# Altium PCB 控制盒基板.PcbDoc (part 4 of 8)
Units mil, origin at the board's own origin, x right, y up, seen from the top; angles counter-clockwise.
Board outline 12046.02 x 6189.14 mil, 4 copper layers (Top Layer, SGND, POWER, Bottom Layer); 368 components, 219 nets, 1110 pads, 351 vias.
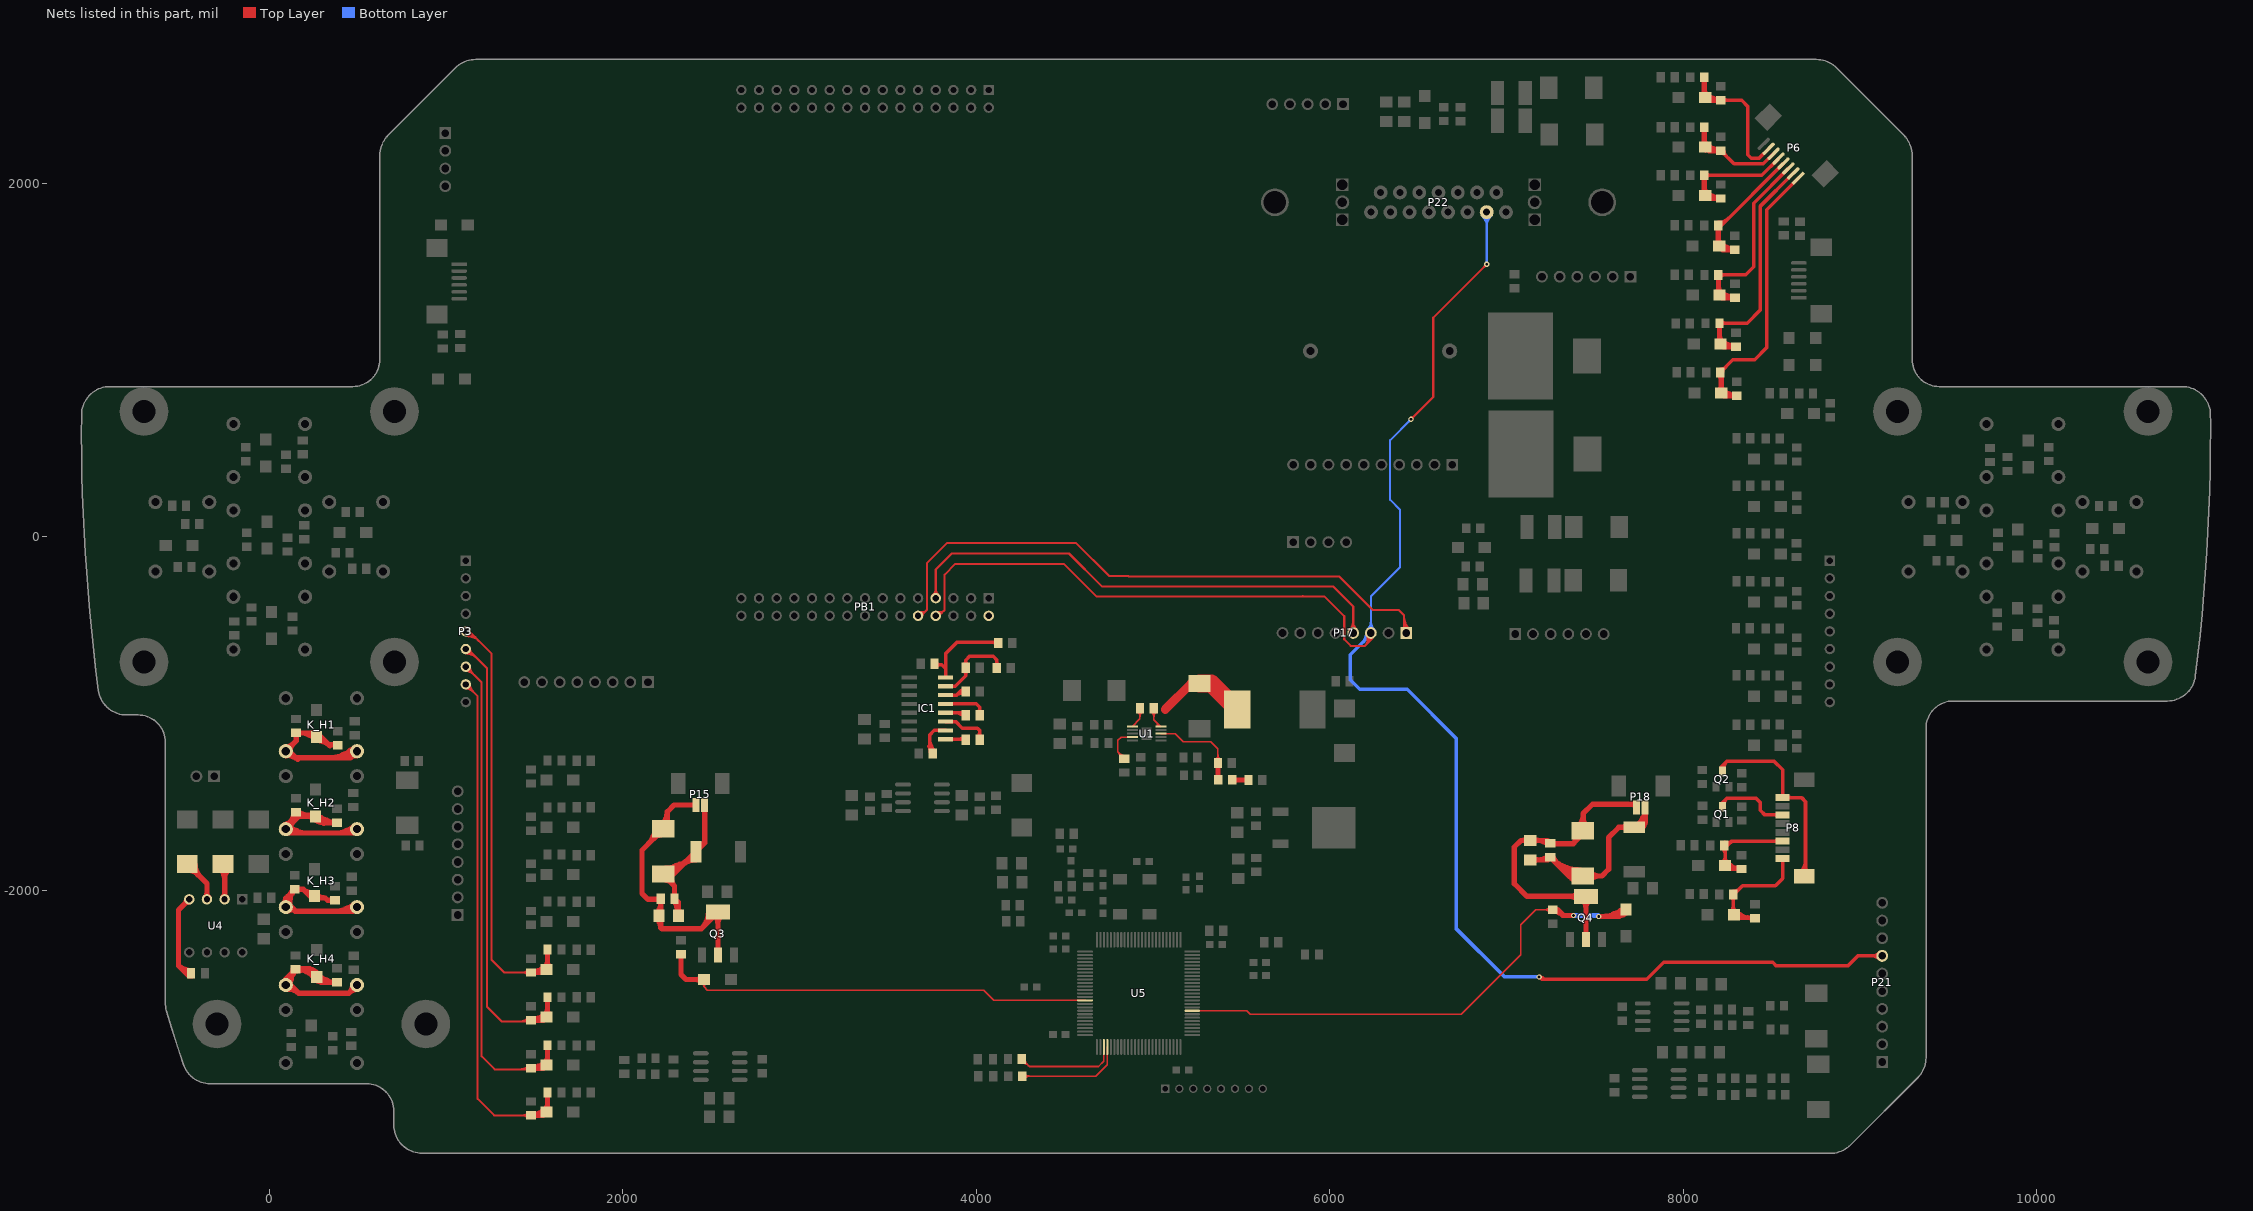
[diagram p6: the nets of this part, all layers, seen from the top]

## Via types
v1: diameter 30, hole 16, Top Layer to Bottom Layer, tented both sides, 209 vias
v2: diameter 24, hole 16, Top Layer to Bottom Layer, tented both sides, 75 vias
v3: diameter 30, hole 18, Top Layer to Bottom Layer, tented both sides, 57 vias
v4: diameter 28, hole 18, Top Layer to Bottom Layer, tented both sides, 10 vias

## Nets (pads, with @x,y where several pads share a name; then routed paths per layer and width w, separated by ;. In a path a pad name is that pad's centre, name@x,y a point inside that pad or via, vN(x,y) a via of type N, cw(c..) or ccw(c..) an arc to the next point about the centre after c; other vN are vias at no path point) (continued)
KJ_B5: D18.2 P3.5 R26.1 R30.2 | length 3350.4
  Top Layer w12: P3.5@1101.1,-540.24 ccw(c1138.45,-522.79) 1127.78,-562.6 ; P3.5@1111.97,-535.16 ccw(c1168.93,-508.54) 1152.66,-569.27 ; P3.5@1112.4,-534.96 1131.96,-534.96 1258,-661 1258,-2394 1329.37,-2465.37 R26.1@1481,-2465.37 ; P3.5@1123.49,-531.8 ccw(c1157.18,-522.22) 1148.11,-556.05 ; P3.5@1124.16,-555.33 cw(c1133.55,-571.6) 1138.42,-553.46 ; 1434.52,-2465.37 ccw(c1434.52,-2422.83) 1464.6,-2452.91 cw(c1434.52,-2422.83) 1434.52,-2465.37 ; 1434.52,-2465.37 cw(c1434.52,-2507.91) 1464.6,-2477.83 ccw(c1434.52,-2507.91) 1434.52,-2465.37 ; P3.5@1112.4,-558.48 cw(c1112.4,-662.5) 1185.95,-588.95 ccw(c1112.4,-662.5) P3.5@1112.4,-558.48 ; P3.5@1112.4,-546.48 cw(c1112.4,-621.53) 1165.46,-568.46 ccw(c1112.4,-621.53) P3.5@1112.4,-546.48 ; P3.5@1112.4,-534.48 cw(c1112.4,-580.56) 1144.98,-547.98 ccw(c1112.4,-580.56) P3.5@1112.4,-534.48
  Top Layer w30: R26.1@1481,-2465.37 1550.37,-2465.37 D18.2@1568.74,-2447 1574.63,-2441.11 R30.2@1574.63,-2335 ; 1516.12,-2457.28 cw(c1533.85,-2487.99) D18.2@1555.65,-2460.01 ; R26.1@1481.61,-2465.37 ccw(c1481.61,-2362.83) 1554.12,-2435.34 cw(c1481.61,-2362.83) R26.1@1481.61,-2465.37 ; D18.2@1560.03,-2435.34 ccw(c1524.78,-2400.09) 1574.63,-2400.09 cw(c1524.78,-2400.09) D18.2@1560.03,-2435.34 ; 1574.63,-2414.26 ccw(c1604.43,-2414.26) 1583.36,-2435.34 cw(c1604.43,-2414.26) 1574.63,-2414.26
KJ_B6: D22.2 P3.6 R34.1 R38.2 | length 3489.1
  Top Layer w12: P3.6@1100.65,-639.13 ccw(c1134.73,-627.02) 1125.37,-661.96 ; P3.6@1111.95,-635.11 ccw(c1160.87,-617.73) 1147.43,-667.87 ; P3.6@1112.4,-634.96 1122.96,-634.96 1232,-744 1232,-2658 1316,-2742 1473.37,-2742 R34.1@1481,-2734.37 ; P3.6@1123.88,-633.87 ccw(c1147.03,-631.69) 1141.01,-654.15 ; P3.6@1124.16,-655.33 cw(c1133.55,-671.6) 1138.42,-653.46 ; P3.6@1112.4,-658.48 cw(c1112.4,-740.77) 1170.59,-682.59 ccw(c1112.4,-740.77) P3.6@1112.4,-658.48 ; P3.6@1112.4,-646.48 cw(c1112.4,-699.8) 1150.1,-662.1 ccw(c1112.4,-699.8) P3.6@1112.4,-646.48 ; P3.6@1135.93,-634.96 ccw(c1167.24,-634.96) 1145.1,-657.1 cw(c1167.24,-634.96) P3.6@1135.93,-634.96 ; 1416.1,-2742 ccw(c1416.1,-2673.41) 1464.6,-2721.91 cw(c1416.1,-2673.41) 1416.1,-2742 ; 1445.07,-2742 ccw(c1445.07,-2702.38) 1473.09,-2730.4 cw(c1445.07,-2702.38) 1445.07,-2742 ; 1452.94,-2742 cw(c1452.94,-2758.49) 1464.6,-2746.83 ccw(c1452.94,-2758.49) 1452.94,-2742
  Top Layer w30: R34.1@1481,-2734.37 1550.37,-2734.37 1574.63,-2710.11 R38.2@1574.63,-2605 ; 1516.12,-2726.28 cw(c1533.85,-2756.99) D22.2@1555.65,-2729.01 ; R34.1@1481.61,-2734.37 ccw(c1481.61,-2631.83) 1554.12,-2704.34 cw(c1481.61,-2631.83) R34.1@1481.61,-2734.37 ; D22.2@1560.03,-2704.34 ccw(c1524.78,-2669.09) 1574.63,-2669.09 cw(c1524.78,-2669.09) D22.2@1560.03,-2704.34 ; 1574.63,-2683.26 ccw(c1604.43,-2683.26) 1583.36,-2704.34 cw(c1604.43,-2683.26) 1574.63,-2683.26
KJ_B7: D26.2 P3.7 R42.1 R46.2 | length 3543.1
  Top Layer w12: P3.7@1111.94,-735.05 ccw(c1151.85,-726.88) 1141.3,-766.23 ; P3.7@1112.4,-734.96 1202,-824.56 1202,-2939 1276,-3013 1474.37,-3013 R42.1@1481,-3006.37 ; P3.7@1112.49,-734.49 cw(c1104.32,-774.4) 1143.67,-763.86 ; 1152.56,-775.12 ccw(c1112.4,-815.28) 1112.4,-758.48 cw(c1112.4,-815.28) 1152.56,-775.12 ; 1152.56,-775.12 cw(c1192.73,-734.96) 1135.93,-734.96 ccw(c1192.73,-734.96) 1152.56,-775.12 ; 1418.52,-3013 ccw(c1418.52,-2947.82) 1464.6,-2993.91 cw(c1418.52,-2947.82) 1418.52,-3013 ; 1447.49,-3013 ccw(c1447.49,-2976.79) 1473.09,-3002.4 cw(c1447.49,-2976.79) 1447.49,-3013 ; 1450.53,-3013 cw(c1450.53,-3032.91) 1464.6,-3018.83 ccw(c1450.53,-3032.91) 1450.53,-3013
  Top Layer w30: R42.1@1481,-3006.37 1551.37,-3006.37 1574.63,-2983.11 R46.2@1574.63,-2877 ; 1517.65,-2998.39 cw(c1534.1,-3026.87) D26.2@1555.2,-3001.65 ; R42.1@1484.03,-3006.37 ccw(c1484.03,-2907.24) 1554.12,-2977.34 cw(c1484.03,-2907.24) R42.1@1484.03,-3006.37 ; D26.2@1560.03,-2977.34 ccw(c1524.78,-2942.09) 1574.63,-2942.09 cw(c1524.78,-2942.09) D26.2@1560.03,-2977.34 ; 1574.63,-2956.26 ccw(c1604.43,-2956.26) 1583.36,-2977.34 cw(c1604.43,-2956.26) 1574.63,-2956.26
KJ_B8: D30.2 P3.8 R50.1 R54.2 | length 3653.3
  Top Layer w12: P3.8@1111.94,-835.05 ccw(c1151.85,-826.88) 1141.3,-866.23 ; P3.8@1112.4,-834.96 1179,-901.56 1179,-3179 1273.37,-3273.37 R50.1@1481,-3273.37 ; P3.8@1112.49,-834.49 cw(c1104.32,-874.4) 1143.67,-863.86 ; 1152.56,-875.12 ccw(c1112.4,-915.28) 1112.4,-858.48 cw(c1112.4,-915.28) 1152.56,-875.12 ; 1152.56,-875.12 cw(c1192.73,-834.96) 1135.93,-834.96 ccw(c1192.73,-834.96) 1152.56,-875.12 ; 1434.52,-3273.37 ccw(c1434.52,-3230.83) 1464.6,-3260.91 cw(c1434.52,-3230.83) 1434.52,-3273.37 ; 1434.52,-3273.37 cw(c1434.52,-3315.91) 1464.6,-3285.83 ccw(c1434.52,-3315.91) 1434.52,-3273.37
  Top Layer w30: R50.1@1481,-3273.37 1549.37,-3273.37 1574.63,-3248.11 R54.2@1574.63,-3144 ; 1516.14,-3265.1 cw(c1534.46,-3295.75) D30.2@1555.89,-3267.19 ; R50.1@1481,-3273.37 ccw(c1481.01,-3171.73) 1553.95,-3242.51 cw(c1481.01,-3171.73) R50.1@1481,-3273.37 ; D30.2@1560.03,-3242.34 ccw(c1524.78,-3207.09) 1574.63,-3207.09 cw(c1524.78,-3207.09) D30.2@1560.03,-3242.34 ; 1574.63,-3221.26 ccw(c1604.43,-3221.26) 1583.36,-3242.34 cw(c1604.43,-3221.26) 1574.63,-3221.26
KJ_G1: D46.2 P8.1 R86.1 R88.2 | length 1738.8
  Top Layer w20: D46.2@8292.24,-2139.08 cw(c8312.6,-2160.42) 8327.34,-2134.88 ; D46.2@8302.93,-2156.02 cw(c8314.09,-2173.21) 8324.34,-2155.46 cw(c8336.07,-2135.15) D46.2@8312.66,-2136.64 ; D46.2@8306.05,-2153.55 cw(c8331.81,-2180.56) 8350.47,-2148.24 ; R86.1@8406.53,-2158.37 8308.63,-2158.37 D46.2@8288.26,-2138 8282.37,-2132.11 R88.2@8282.37,-2024 8286,-2024 8336,-1974 8521.97,-1974 8562.97,-1933 P8.1@8562.97,-1819.64 ; 8282.37,-2060.82 ccw(c8249.48,-2060.82) 8272.74,-2037.57 cw(c8249.48,-2060.82) 8282.37,-2060.82 ; 8282.37,-2060.82 cw(c8315.26,-2060.82) 8292,-2037.57 ccw(c8315.26,-2060.82) 8282.37,-2060.82 ; 8369.7,-2158.37 ccw(c8369.7,-2125.48) 8392.96,-2148.74 cw(c8369.7,-2125.48) 8369.7,-2158.37 ; 8369.7,-2158.37 cw(c8369.7,-2191.26) 8392.96,-2168 ccw(c8369.7,-2191.26) 8369.7,-2158.37 ; 8562.97,-1843.03 ccw(c8539.59,-1843.03) 8556.13,-1826.49 cw(c8539.59,-1843.03) 8562.97,-1843.03 ; 8562.97,-1843.03 cw(c8586.36,-1843.03) 8569.82,-1826.49 ccw(c8586.36,-1843.03) 8562.97,-1843.03 ; D46.2@8270.11,-2122.8 ccw(c8240.5,-2093.19) 8282.37,-2093.19 cw(c8240.5,-2093.19) D46.2@8270.11,-2122.8 ; 8282.37,-2079.02 ccw(c8344.29,-2079.02) 8300.51,-2122.8 cw(c8344.29,-2079.02) 8282.37,-2079.02 ; R88.2@8282.37,-2006.44 ccw(c8282.37,-1955.29) 8318.54,-1991.46 cw(c8282.37,-1955.29) R88.2@8282.37,-2006.44 ; D46.2@8292.27,-2136.94 ccw(c8344,-2085.21) 8344,-2158.37 cw(c8344,-2085.21) D46.2@8292.27,-2136.94 ; D46.2@8306.41,-2122.8 ccw(c8392.28,-2036.93) 8392.28,-2158.37 cw(c8392.28,-2036.93) D46.2@8306.41,-2122.8 ; 8363.91,-2150.77 ccw(c8374.78,-2110.21) 8395.78,-2146.57 cw(c8374.78,-2110.21) 8363.91,-2150.77 ; 8376.35,-2154.1 cw(c8370.2,-2177.07) 8390.79,-2165.18 ccw(c8370.2,-2177.07) 8376.35,-2154.1
KJ_G2: D48.2 P8.3 R90.1 R92.2 | length 1631.5
  Top Layer w20: D48.2@8240.66,-1861.43 cw(c8249.61,-1890.14) D48.2@8270.87,-1868.87 ; D48.2@8241.35,-1860.97 cw(c8259.24,-1876.31) 8272.48,-1856.81 ; D48.2@8251.9,-1878.04 cw(c8265.58,-1899.16) 8283.37,-1881.37 8262,-1860 D48.2@8237.26,-1860 ; D48.2@8256.53,-1873.99 cw(c8276.34,-1890.97) 8291,-1869.38 ; P8.3@8562.97,-1721.21 8276,-1721.21 ; D48.2@8237.26,-1860 8256.63,-1879.37 R90.1@8329.53,-1879.37 ; D48.2@8237.26,-1860 8237.26,-1751.89 R92.2@8231.37,-1746 8251.21,-1746 8276,-1721.21 ; 8237.26,-1808.1 ccw(c8289.15,-1808.1) 8252.46,-1844.8 cw(c8289.15,-1808.1) 8237.26,-1808.1 ; 8237.26,-1808.1 cw(c8185.36,-1808.1) 8222.06,-1844.8 ccw(c8185.36,-1808.1) 8237.26,-1808.1 ; 8276,-1721.22 cw(c8249.97,-1695.19) 8236.39,-1729.4 ccw(c8249.97,-1695.19) 8276,-1721.22 ; 8292.7,-1879.37 ccw(c8292.7,-1846.48) 8315.96,-1869.74 cw(c8292.7,-1846.48) 8292.7,-1879.37 ; 8292.7,-1879.37 cw(c8292.7,-1912.26) 8315.96,-1889 ccw(c8292.7,-1912.26) 8292.7,-1879.37 ; R90.1@8329.53,-1879.37 cw(c8329.52,-1782.84) 8256.48,-1845.95 ccw(c8329.52,-1782.84) R90.1@8329.53,-1879.37 ; 8519.91,-1721.21 ccw(c8519.91,-1697.83) 8536.44,-1714.37 cw(c8519.91,-1697.83) 8519.91,-1721.21 ; 8519.91,-1721.21 cw(c8519.91,-1744.6) 8536.44,-1728.06 ccw(c8519.91,-1744.6) 8519.91,-1721.21 ; R92.2@8221.74,-1759.57 cw(c8184.27,-1797.04) 8237.26,-1797.04 ccw(c8184.27,-1797.04) R92.2@8221.74,-1759.57 ; D48.2@8241.34,-1859.02 ccw(c8285.81,-1820.6) 8285.81,-1879.37 cw(c8285.81,-1820.6) D48.2@8241.34,-1859.02 ; 8291.71,-1869.24 cw(c8282.3,-1904.36) 8313.79,-1886.18 ccw(c8282.3,-1904.36) 8291.71,-1869.24 ; 8296.46,-1870.51 ccw(c8304.07,-1842.1) 8318.78,-1867.57 cw(c8304.07,-1842.1) 8296.46,-1870.51
KJ_I1: D33.2 P6.4 R59.1 R62.2 | length 1220.9
  Top Layer w20: R62.2@8198.37,1761 8216,1761 P6.4@8567.01,2112.01 ; R62.2@8198.37,1758.56 ccw(c8198.37,1795.22) 8224.29,1769.3 cw(c8198.37,1795.22) R62.2@8198.37,1758.56 ; R62.2@8198.37,1778.56 ccw(c8198.37,1863.5) 8258.44,1803.44 cw(c8198.37,1863.5) R62.2@8198.37,1778.56
  Top Layer w30: R62.2@8198.37,1761 8198.37,1650.89 D33.2@8204.26,1645 ; D33.2@8216.94,1631.68 cw(c8237.68,1603.25) 8256.33,1633.09 ; D33.2@8224.63,1624.63 R59.1@8292,1624.63 ; R59.1@8292,1624.63 cw(c8292,1724.05) 8219.28,1656.25 ccw(c8292,1724.05) R59.1@8292,1624.63 ; D33.2@8189.64,1656.66 ccw(c8168.57,1677.73) 8198.37,1677.73 cw(c8168.57,1677.73) D33.2@8189.64,1656.66 ; 8198.37,1691.92 ccw(c8248.22,1691.92) 8212.97,1656.66 cw(c8248.22,1691.92) 8198.37,1691.92
KJ_I2: D36.2 P6.5 R65.1 R68.2 | length 1094.3
  Top Layer w20: R68.2@8119.37,2046 8445.32,2046 P6.5@8539.17,2139.85 ; 8152.26,2046 ccw(c8152.26,2013.11) 8129,2036.37 cw(c8152.26,2013.11) 8152.26,2046 ; 8152.26,2046 cw(c8152.26,2078.89) 8129,2055.63 ccw(c8152.26,2078.89) 8152.26,2046
  Top Layer w30: R68.2@8119.37,2046 8119.37,1937.89 D36.2@8125.26,1932 8142.63,1914.63 R65.1@8213,1914.63 ; D36.2@8138.8,1919.35 cw(c8159.9,1894.13) 8176.35,1922.61 ; D36.2@8110.64,1943.66 ccw(c8089.57,1964.73) 8119.37,1964.73 cw(c8089.57,1964.73) D36.2@8110.64,1943.66 ; 8119.37,1978.92 ccw(c8169.22,1978.92) 8133.97,1943.66 cw(c8169.22,1978.92) 8119.37,1978.92 ; D36.2@8139.88,1943.66 ccw(c8209.97,2013.76) 8209.97,1914.63 cw(c8209.97,2013.76) D36.2@8139.88,1943.66
KJ_J1: D39.2 P6.6 R71.1 R74.2 | length 996.1
  Top Layer w12: D39.2@8125.26,2178.26 D39.2@8125.26,2205
  Top Layer w20: R71.1@8213,2184.63 8287.63,2110 8453.64,2110 P6.6@8511.33,2167.69 ; R71.1@8216.94,2171.01 cw(c8216.94,2147.63) 8233.47,2164.16 ccw(c8216.94,2147.63) R71.1@8216.94,2171.01 ; R71.1@8230.56,2184.63 ccw(c8272.95,2184.63) 8242.98,2154.65 cw(c8272.95,2184.63) R71.1@8230.56,2184.63
  Top Layer w30: R74.2@8119.37,2318 8119.37,2210.89 D39.2@8125.26,2205 ; D39.2@8137.94,2191.68 cw(c8158.68,2163.25) 8177.33,2193.09 ; D39.2@8145.63,2184.63 R71.1@8213,2184.63 ; R71.1@8213,2184.63 cw(c8213,2284.05) 8140.28,2216.25 ccw(c8213,2284.05) R71.1@8213,2184.63 ; D39.2@8110.64,2216.66 ccw(c8089.57,2237.73) 8119.37,2237.73 cw(c8089.57,2237.73) D39.2@8110.64,2216.66 ; 8119.37,2251.92 ccw(c8169.22,2251.92) 8133.97,2216.66 cw(c8169.22,2251.92) 8119.37,2251.92
KJ_J2: D42.2 P6.7 R77.1 R80.2 | length 1189.7
  Top Layer w20: R77.1@8213,2470.63 8330.37,2470.63 8366,2435 8366,2161 8386,2141 8428.97,2141 P6.7@8483.49,2195.53 ; 8249.82,2470.63 ccw(c8249.82,2437.74) 8226.57,2461 cw(c8249.82,2437.74) 8249.82,2470.63 ; 8249.82,2470.63 cw(c8249.82,2503.52) 8226.57,2480.26 ccw(c8249.82,2503.52) 8249.82,2470.63
  Top Layer w30: R80.2@8119.37,2601 8119.37,2491.89 D42.2@8125.26,2486 ; D42.2@8139.72,2474.18 cw(c8159.27,2454.11) 8173.29,2478.38 ; D42.2@8140.63,2470.63 R77.1@8213,2470.63 ; D42.2@8110.64,2497.66 ccw(c8089.57,2518.73) 8119.37,2518.73 cw(c8089.57,2518.73) D42.2@8110.64,2497.66 ; 8119.37,2532.92 ccw(c8169.22,2532.92) 8133.97,2497.66 cw(c8169.22,2532.92) 8119.37,2532.92 ; D42.2@8139.88,2497.66 ccw(c8205.14,2562.93) 8205.14,2470.63 cw(c8205.14,2562.93) D42.2@8139.88,2497.66
KJ_M2: D45.2 P6.1 R85.1 R87.2 | length 2186.8
  Top Layer w20: 8240.37,961 R87.2@8209.37,930 8281.37,1002 8404,1002 8473,1071 8473,1850.97 P6.1@8650.52,2028.49 ; R87.2@8209.37,947.56 ccw(c8209.37,989.95) 8239.35,959.97 ; R87.2@8209.37,947.56 ccw(c8209.37,989.95) 8239.35,959.97 ; R87.2@8209.37,947.56 ccw(c8209.37,989.95) 8239.35,959.97 ; R87.2@8209.37,947.56 ccw(c8209.37,989.95) 8239.35,959.97 ; R87.2@8222.99,933.94 cw(c8246.37,933.94) R87.2@8229.84,950.47 ; R87.2@8222.99,933.94 cw(c8246.37,933.94) R87.2@8229.84,950.47 ; R87.2@8222.99,933.94 cw(c8246.37,933.94) R87.2@8229.84,950.47 ; R87.2@8222.99,933.94 cw(c8246.37,933.94) R87.2@8229.84,950.47
  Top Layer w30: R87.2@8209.37,930 8215.26,924.11 D45.2@8215.26,814 8230.63,798.63 R85.1@8303,798.63 ; D45.2@8229.72,802.18 cw(c8249.27,782.11) 8263.29,806.38 ; 8215.26,853.82 ccw(c8255.09,853.82) 8226.93,825.66 cw(c8255.09,853.82) 8215.26,853.82 ; 8215.26,853.82 cw(c8175.44,853.82) 8203.6,825.66 ccw(c8175.44,853.82) 8215.26,853.82 ; R87.2@8203.27,919.97 cw(c8174.34,891.03) 8215.26,891.03 ccw(c8174.34,891.03) R87.2@8203.27,919.97 ; D45.2@8229.88,825.66 ccw(c8295.14,890.93) 8295.14,798.63 cw(c8295.14,890.93) D45.2@8229.88,825.66
KJ_M3: D47.2 P6.2 R89.1 R91.2 | length 1980.4
  Top Layer w20: 8339,1209 R91.2@8205.37,1209 8363,1209 8435,1281 8435,1868.65 P6.2@8622.68,2056.33 ; R91.2@8215,1199.37 cw(c8238.26,1176.11) 8238.26,1209 ; R91.2@8215,1199.37 cw(c8238.26,1176.11) 8238.26,1209 ; R91.2@8215,1199.37 cw(c8238.26,1176.11) 8238.26,1209 ; R91.2@8215,1199.37 cw(c8238.26,1176.11) 8238.26,1209 ; R91.2@8215,1218.63 ccw(c8238.26,1241.89) 8238.26,1209 ; R91.2@8215,1218.63 ccw(c8238.26,1241.89) 8238.26,1209 ; R91.2@8215,1218.63 ccw(c8238.26,1241.89) 8238.26,1209 ; R91.2@8215,1218.63 ccw(c8238.26,1241.89) 8238.26,1209
  Top Layer w30: R91.2@8205.37,1209 8205.37,1097.89 D47.2@8211.26,1092 8227.63,1075.63 R89.1@8299,1075.63 ; D47.2@8225.26,1079.75 cw(c8245.61,1057.16) 8260.82,1083.49 ; D47.2@8196.64,1103.66 ccw(c8175.57,1124.73) 8205.37,1124.73 cw(c8175.57,1124.73) D47.2@8196.64,1103.66 ; 8205.37,1138.92 ccw(c8255.22,1138.92) 8219.97,1103.66 cw(c8255.22,1138.92) 8205.37,1138.92 ; D47.2@8225.88,1103.66 ccw(c8293.56,1171.35) 8293.56,1075.63 cw(c8293.56,1171.35) D47.2@8225.88,1103.66
KJ_M4: D49.2 P6.3 R93.1 R94.2 | length 1482.9
  Top Layer w20: R94.2@8199.37,1482 8353,1482 8399,1528 8399,1888.33 P6.3@8594.84,2084.17 ; 8232.26,1482 ccw(c8232.26,1449.11) 8209,1472.37 cw(c8232.26,1449.11) 8232.26,1482 ; 8232.26,1482 cw(c8232.26,1514.89) 8209,1491.63 ccw(c8232.26,1514.89) 8232.26,1482
  Top Layer w30: R94.2@8199.37,1482 8199.37,1374.89 D49.2@8205.26,1369 8221.63,1352.63 R93.1@8293,1352.63 ; D49.2@8219.26,1356.75 cw(c8239.61,1334.16) 8254.82,1360.49 ; D49.2@8190.64,1380.66 ccw(c8169.57,1401.73) 8199.37,1401.73 cw(c8169.57,1401.73) D49.2@8190.64,1380.66 ; 8199.37,1415.92 ccw(c8249.22,1415.92) 8213.97,1380.66 cw(c8249.22,1415.92) 8199.37,1415.92 ; D49.2@8219.88,1380.66 ccw(c8287.56,1448.35) 8287.56,1352.63 cw(c8287.56,1448.35) D49.2@8219.88,1380.66
LCD_PWM: PB1.2
LED1: R100.1 U5.53 | length 830.5
  Top Layer w10: R100.1@4257.04,-2958.29 ccw(c4290.14,-2949.66) 4281.29,-2982.7 ; R100.1@4257.37,-2954 4300.37,-2997 4692,-2997 4722,-2967 4722,-2886.3 U5.53@4722.15,-2886.15 ; R100.1@4258.57,-2956.57 cw(c4254.43,-2985.1) 4282.27,-2977.64 ; R100.1@4258.37,-2976.56 cw(c4258.37,-3028.61) 4295.17,-2991.8 ccw(c4258.37,-3028.61) R100.1@4258.37,-2976.56 ; R100.1@4258.37,-2966.56 cw(c4258.37,-2994.47) 4278.1,-2974.73 ccw(c4258.37,-2994.47) R100.1@4258.37,-2966.56 ; R100.1@4276.99,-2957.94 ccw(c4314.86,-2957.94) 4288.08,-2984.71 cw(c4314.86,-2957.94) R100.1@4276.99,-2957.94
LED2: R101.1 U5.54 | length 750.4
  Top Layer w10: R101.1@4260.33,-3051.6 4677.4,-3051.6 4741.83,-2987.17 U5.54@4741.83,-2886.15 ; 4305.29,-3051.6 ccw(c4305.29,-3096.56) 4273.5,-3064.77 cw(c4305.29,-3096.56) 4305.29,-3051.6 ; 4305.29,-3051.6 cw(c4305.29,-3006.65) 4273.5,-3038.44 ccw(c4305.29,-3006.65) 4305.29,-3051.6
LINE_IN_L: P17.3 P21.7 P22.9 PB1.8 | length 12773.5
  Top Layer w12: PB1.8@3761.94,-438.43 cw(c3790.44,-465.36) 3794.07,-426.32 ; PB1.8@3771,-447 3789,-447 3820,-416 ; 5849,-334 5846,-337 ; P17.3@6208.54,-556.5 cw(c6162.19,-580.19) 6199,-617 ; 6210.67,-605.33 ccw(c6177.63,-572.3) P17.3@6219.23,-551.04 ; 6222.33,-593.67 ccw(c6193.07,-564.41) P17.3@6229.91,-545.58 ; P17.3@6223.74,-569.86 cw(c6219.04,-583) 6233,-583 ; P17.3@6233,-544 6233,-583 ; 6233.99,-582.01 ccw(c6208.5,-556.52) P17.3@6240.6,-540.11 ; P17.3@6242.25,-569.86 ccw(c6246.96,-583) 6233,-583 ; v1(6460,665) 6586,791 6586,1240 v1(6888.3,1542.3) ; v1@6460.07,674 ccw(c6460.24,695.15) 6475.37,680.37 ; v1@6460.23,674 ccw(c6460.73,693.95) 6475.01,680 ; v1@6469,665.07 cw(c6490.15,665.24) 6475.37,680.37 ; v1@6469,665.23 cw(c6488.95,665.73) 6475,680.01 ; v1@6879.3,1542.07 cw(c6859.35,1541.56) 6873.3,1527.29 cw(c6887.56,1513.35) v1@6888.07,1533.3 ; v1@6888.23,1533.3 ccw(c6888.06,1512.15) 6872.93,1526.93 ; 3820,-416 cw(c3792.61,-388.62) 3779.17,-424.94 ccw(c3792.61,-388.62) 3820,-416 ; 3820,-416 3820,-351 3820,-314 3820,-214 3821,-214 3882,-153 4496,-153 4680,-337 5846,-337 ; 5846,-337 5970,-337 6082,-449 6082,-580 6119,-617 6199,-617 ; 6199,-617 6233,-583 ; 6474.93,679.94 cw(c6460.35,694.86) 6460.1,674 ccw(c6460.35,694.86) 6474.93,679.94 ; 6474.94,679.93 ccw(c6489.86,665.35) 6469,665.1 cw(c6489.86,665.35) 6474.94,679.93 ; 6475.36,680.36 ccw(c6490.73,665) 6469,665 cw(c6490.73,665) 6475.36,680.36 ; 6475.36,680.36 cw(c6460,695.73) 6460,674 ccw(c6460,695.73) 6475.36,680.36 ; 6872.93,1526.93 ccw(c6857.57,1542.3) 6879.3,1542.3 cw(c6857.57,1542.3) 6872.93,1526.93 ; 6872.93,1526.93 cw(c6888.3,1511.57) 6888.3,1533.3 ccw(c6888.3,1511.57) 6872.93,1526.93 ; 6872.93,1526.93 ccw(c6858.15,1542.06) v1@6879.3,1542.23 ; 6873.37,1527.36 cw(c6887.95,1512.43) 6888.19,1533.3 ccw(c6887.95,1512.43) 6873.37,1527.36 ; 6873.36,1527.37 ccw(c6858.43,1541.95) v1@6879.3,1542.19 ; 6873.36,1527.37 ccw(c6858.43,1541.95) v1@6879.3,1542.19 ; PB1.8@3775,-436.19 ccw(c3785.46,-407.94) 3806.76,-429.24 cw(c3785.46,-407.94) PB1.8@3775,-436.19
  Top Layer w20: v1(7185,-2490) 7199,-2504 7793.5,-2504 7890.5,-2407 8506,-2407 8527,-2428 8932,-2428 8989,-2371 P21.7@9126,-2371 ; v1@7186.29,-2494.83 cw(c7193.69,-2522.42) 7207.97,-2497.68 ; 9069.35,-2371 ccw(c9069.35,-2314.35) 9109.41,-2354.41 cw(c9069.35,-2314.35) 9069.35,-2371 ; 9069.35,-2371 cw(c9069.35,-2427.65) 9109.41,-2387.59 ccw(c9069.35,-2427.65) 9069.35,-2371 ; v1@7188.54,-2486.46 ccw(c7230.87,-2444.13) 7230.87,-2504 cw(c7230.87,-2444.13) v1@7188.54,-2486.46
  Bottom Layer w12: P17.3@6233,-544 6233,-338 6398,-173 6398,154 6342,210 6342,547 v1(6460,665) ; v1@6459.9,656 ccw(c6459.65,635.14) 6445.07,650.06 ccw(c6430.14,664.65) 6451,664.9 cw(c6429.85,664.76) 6444.63,649.63 ; v1@6459.93,656 ccw(c6459.76,634.85) 6444.63,649.63 ; v1@6888,1542 v1(6888.3,1542.3) P22.9@6888.3,1836.76 ; 6233,-506.66 ccw(c6270.33,-506.66) 6243.93,-533.06 cw(c6270.33,-506.66) 6233,-506.66 ; 6233,-506.66 cw(c6195.66,-506.66) 6222.06,-533.06 ccw(c6195.66,-506.66) 6233,-506.66 ; 6233,-477.69 ccw(c6299.3,-477.69) 6252.42,-524.58 cw(c6299.3,-477.69) 6233,-477.69 ; 6233,-477.69 cw(c6166.69,-477.69) 6213.58,-524.58 ccw(c6166.69,-477.69) 6233,-477.69 ; 6444.64,649.64 ccw(c6429.27,665) 6451,665 cw(c6429.27,665) 6444.64,649.64 ; 6444.64,649.64 cw(c6460,634.27) 6460,656 ccw(c6460,634.27) 6444.64,649.64 ; 6888.3,1564.03 ccw(c6910.03,1564.03) 6894.66,1548.66 cw(c6910.03,1564.03) 6888.3,1564.03 ; 6888.3,1564.03 cw(c6866.57,1564.03) 6881.93,1548.66 ccw(c6866.57,1564.03) 6888.3,1564.03 ; 6888.3,1756.19 ccw(c6807.74,1756.19) 6864.7,1813.16 cw(c6807.74,1756.19) 6888.3,1756.19 ; 6888.3,1756.19 cw(c6968.86,1756.19) 6911.89,1813.16 ccw(c6968.86,1756.19) 6888.3,1756.19 ; 6888.3,1785.16 ccw(c6836.71,1785.16) 6873.19,1821.64 cw(c6836.71,1785.16) 6888.3,1785.16 ; 6888.3,1785.16 cw(c6939.89,1785.16) 6903.41,1821.64 ccw(c6939.89,1785.16) 6888.3,1785.16
  Bottom Layer w20: 6198.88,-583.76 cw(c6249.4,-597.3) P17.3@6234.02,-547.31 ; P17.3@6233,-544 6233,-551 6117,-667 6117,-809 6171,-863 6438,-863 6715,-1140 6715,-2216 6989,-2490 v1(7185,-2490) ; 6187.99,-596.01 ccw(c6135.98,-544) 6209.53,-544 cw(c6135.98,-544) 6187.99,-596.01 ; 6204.89,-579.11 cw(c6233,-607.21) 6233,-567.46 ccw(c6233,-607.21) 6204.89,-579.11
LINE_IN_R: P17.4 PB1.7 | length 3340
  Top Layer w12: PB1.7@3771,-347 3771,-185 3862,-94 4525,-94 4711,-280 6019,-280 6133,-394 P17.4@6133,-544 ; 3771,-290.2 ccw(c3827.8,-290.2) 3787.64,-330.36 cw(c3827.8,-290.2) 3771,-290.2 ; 3771,-290.2 cw(c3714.2,-290.2) 3754.36,-330.36 ccw(c3714.2,-290.2) 3771,-290.2 ; 6133,-506.66 ccw(c6170.33,-506.66) 6143.93,-533.06 cw(c6170.33,-506.66) 6133,-506.66 ; 6133,-506.66 cw(c6095.66,-506.66) 6122.06,-533.06 ccw(c6095.66,-506.66) 6133,-506.66 ; 6133,-477.69 ccw(c6199.3,-477.69) 6152.42,-524.58 cw(c6199.3,-477.69) 6133,-477.69 ; 6133,-477.69 cw(c6066.69,-477.69) 6113.58,-524.58 ccw(c6066.69,-477.69) 6133,-477.69
LJ_G1: P8.6 Q1.3 | length 597.4
  Top Layer w20: Q1.3@8222,-1526.69 8222,-1506 8250,-1478 8411,-1478 8436,-1503 8436,-1547 8462.57,-1573.57 P8.6@8562.97,-1573.57 ; 8519.91,-1573.57 ccw(c8519.91,-1550.19) 8536.44,-1566.73 cw(c8519.91,-1550.19) 8519.91,-1573.57 ; 8519.91,-1573.57 cw(c8519.91,-1596.96) 8536.44,-1580.42 ccw(c8519.91,-1596.96) 8519.91,-1573.57 ; Q1.3@8231.69,-1518.82 cw(c8286.02,-1518.82) 8247.6,-1480.4 ccw(c8286.02,-1518.82) Q1.3@8231.69,-1518.82